# Altium PCB LH_Traffic_Light(XP)_V2.2_20171103-1500pm.PcbDoc (part 3 of 3)
Units mm, origin at the board's own origin, x right, y up, seen from the top; angles counter-clockwise.
Board outline 163.3 x 131.3 mm, 2 copper layers (Top Layer, Bottom Layer); 208 components, 201 nets, 813 pads, 826 vias.
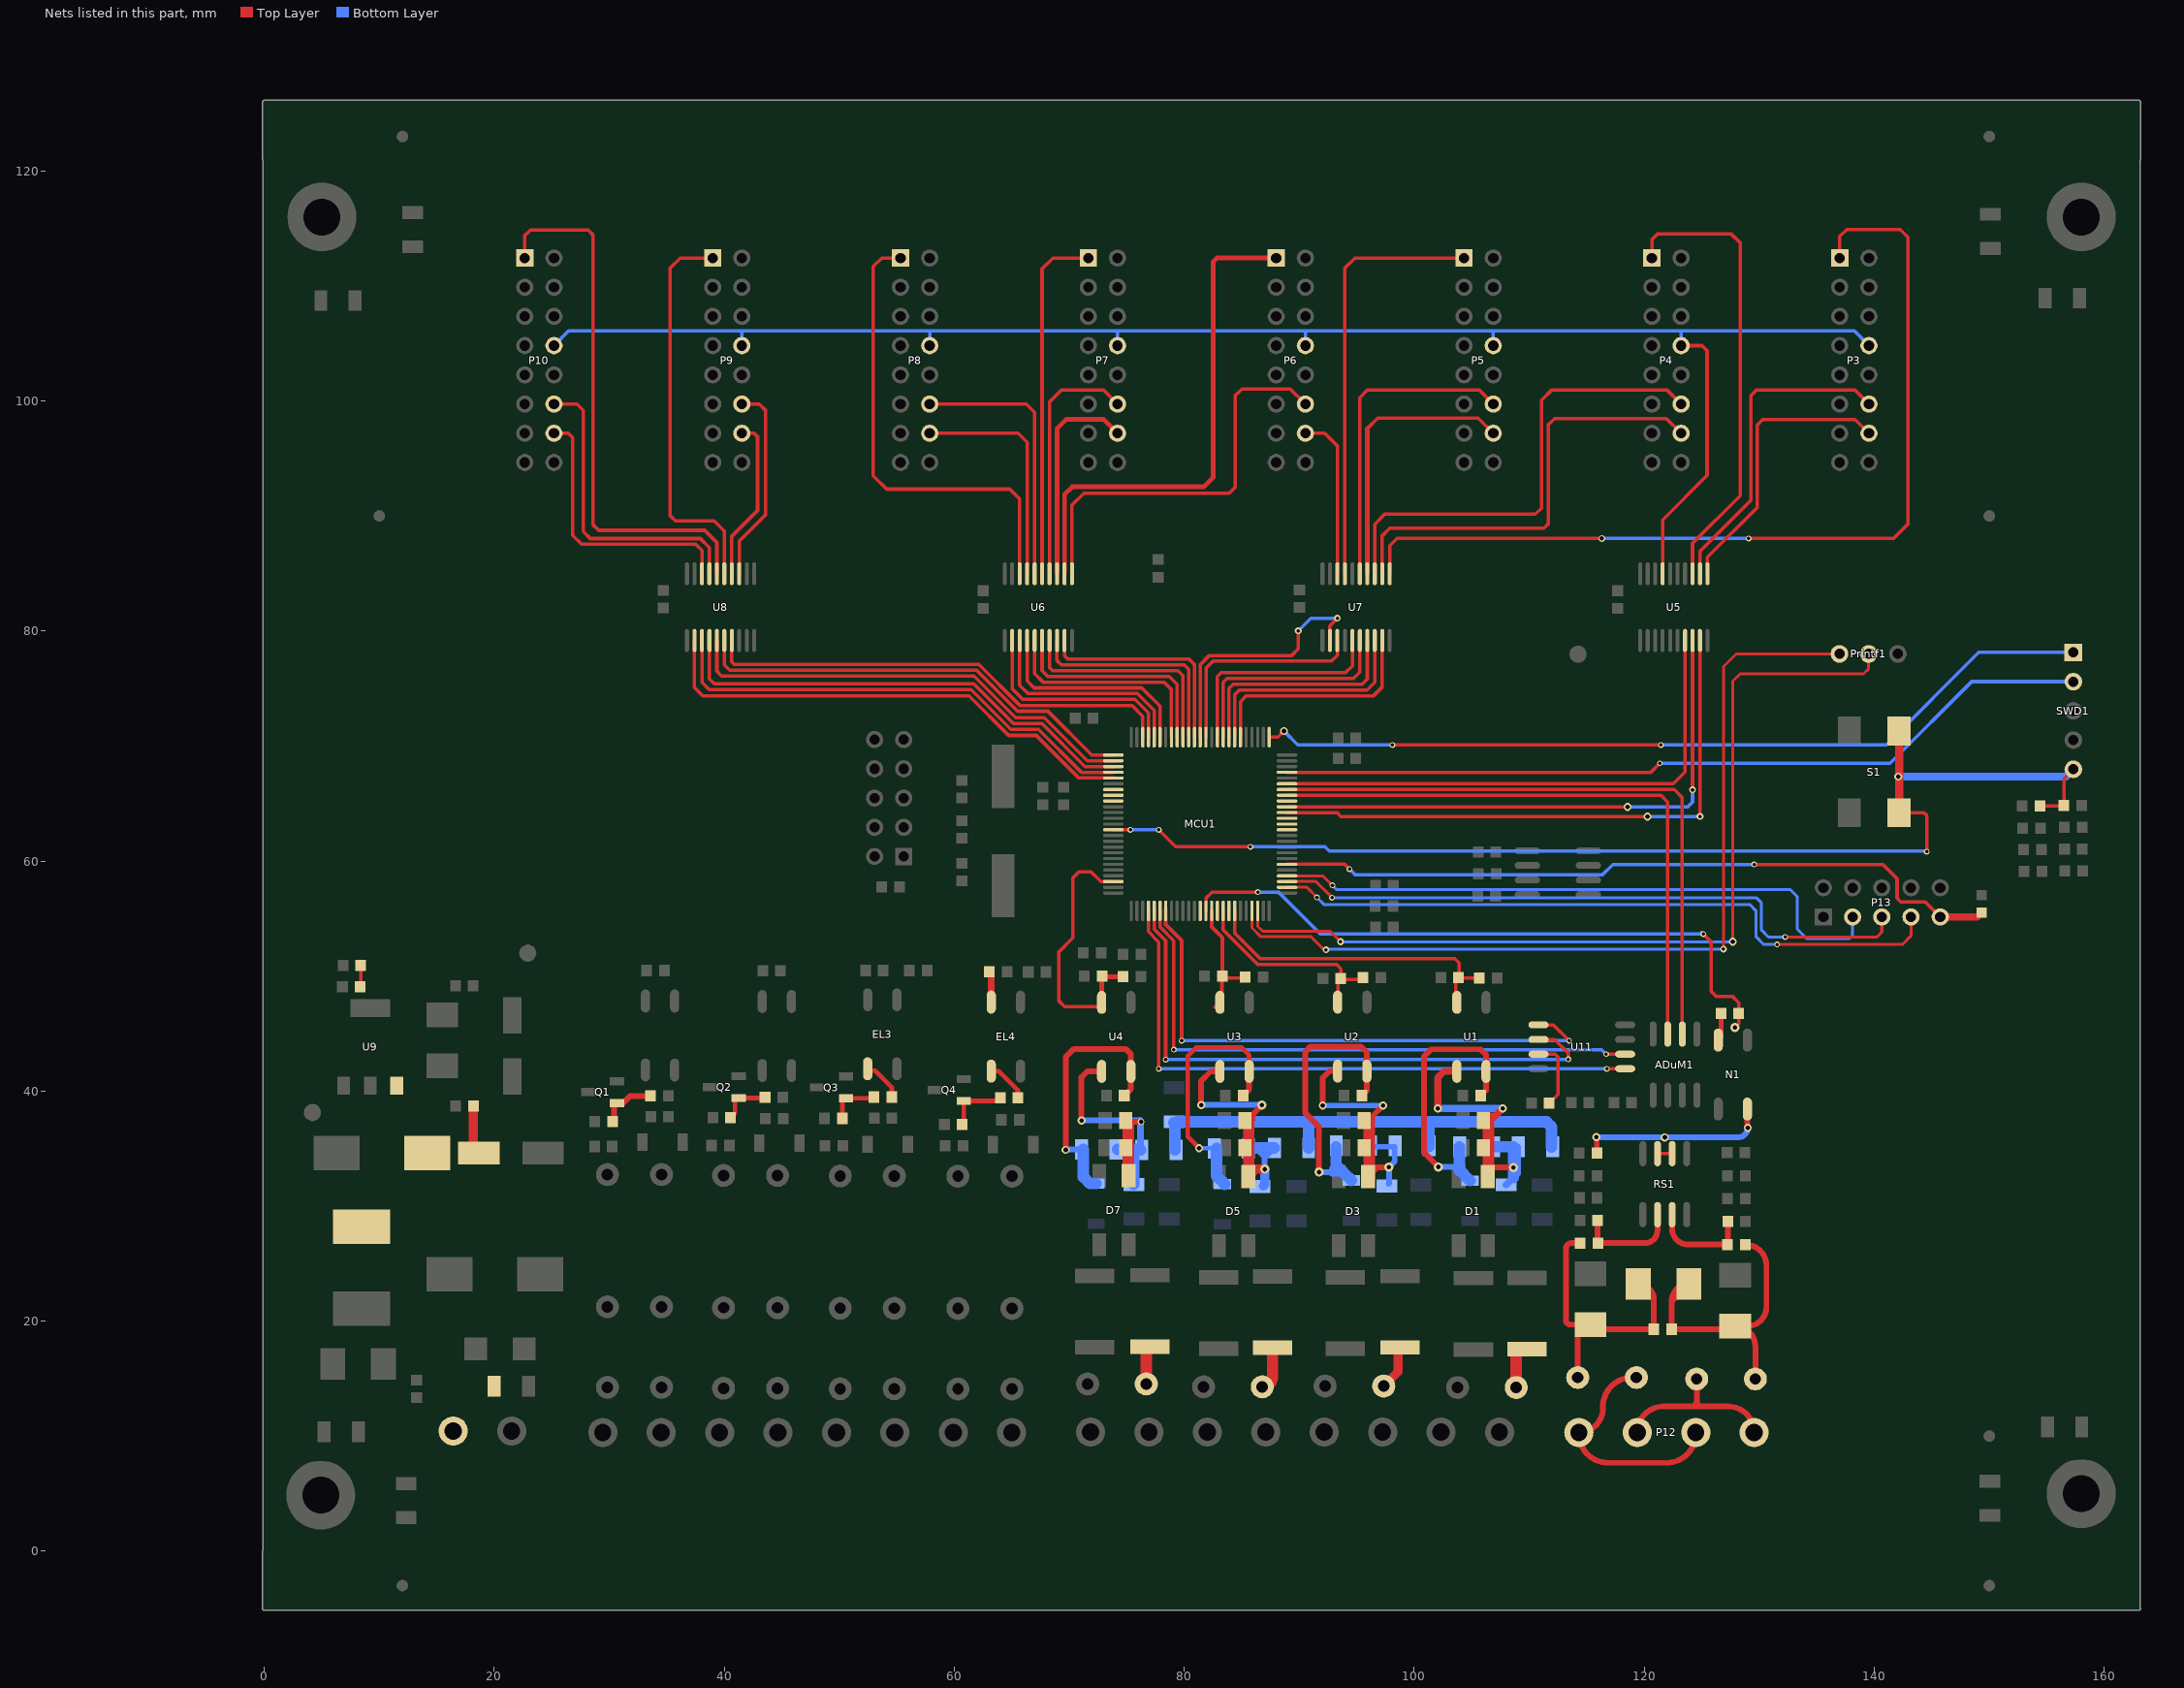
[diagram p3: the nets of this part, all layers, seen from the top]

## Via types
v1: diameter 0.6, hole 0.4, Top Layer to Bottom Layer, 590 vias
v2: diameter 0.5, hole 0.3, Top Layer to Bottom Layer, 84 vias
v3: diameter 0.7, hole 0.4, Top Layer to Bottom Layer, 42 vias
v4: diameter 0.8, hole 0.6, Top Layer to Bottom Layer, 39 vias
v5: diameter 0.8, hole 0.4, Top Layer to Bottom Layer, 24 vias
v6: diameter 0.6, hole 0.3, Top Layer to Bottom Layer, 22 vias
v7: diameter 1, hole 0.5, Top Layer to Bottom Layer, 12 vias
v8: diameter 0.7, hole 0.5, Top Layer to Bottom Layer, 8 vias
v9: diameter 1, hole 0.8, Top Layer to Bottom Layer, 5 vias

## Nets (pads, with @x,y where several pads share a name; then routed paths per layer and width w, separated by ;. In a path a pad name is that pad's centre, name@x,y a point inside that pad or via, vN(x,y) a via of type N, cw(c..) or ccw(c..) an arc to the next point about the centre after c; other vN are vias at no path point) (continued)
NetEL3_3: EL3.3 R58.2 | length 3.8
  Top Layer w0.4: EL3.3@52.262,41.79 53.106,41.79 54.556,40.34 R58.2@54.556,39.481
NetEL4_2: EL4.2 R60.1 | length 2.6
  Top Layer w0.6: EL4.2@63.202,47.747 R60.1@63.202,50.327
NetEL4_3: EL4.3 R62.2 | length 3.7
  Top Layer w0.4: EL4.3@63.21,41.739 63.856,41.739 65.529,40.065 R62.2@65.529,39.405
NetF2_2: F2.2 R6.1 | length 4
  Top Layer w1: F2.2@108.865,14.233 108.865,17.56 R6.1@109.514,17.56
NetF3_2: F3.2 R12.1 | length 3.9
  Top Layer w0.8: F3.2@97.342,14.36 98.592,15.61 R12.1@98.592,17.763
NetF4_2: F4.2 R19.1 | length 3.9
  Top Layer w1: F4.2@86.776,14.284 ccw(c86.776,15.179) 87.67,15.179 R19.1@87.67,17.687
NetF5_2: F5.2 R26.1 | length 3.2
  Top Layer w1: F5.2@76.692,14.538 R26.1@76.692,17.732
NetF6_1: F6.1 P11.1
NetF7_1: F7.1 FB1.1 R36.2 TVS1.1 TVS2.2 | length 31.7
  Top Layer w0.5: F7.1@129.656,14.97 129.656,17.814 ccw(c127.904,17.814) TVS1.1@127.909,19.567 ; 122.374,21.709 cw(c123.89,21.709) TVS2.2@123.89,23.225 122.374,21.709 ; 122.374,21.709 R36.2@122.374,19.288 TVS1.1@127.625,19.288 ; TVS1.1@127.625,19.288 ccw(c127.625,19.567) TVS1.1@127.904,19.567 ; TVS1.1@127.625,19.288 ccw(c127.625,19.567) TVS1.1@127.904,19.567 ; TVS1.1@127.904,19.567 cw(c127.904,17.814) TVS1.1@127.909,19.567 ; TVS1.1@127.904,19.567 cw(c127.904,17.814) TVS1.1@127.909,19.567 ; TVS1.1@127.904,19.567 TVS1.1@127.909,19.567 ; TVS1.1@127.909,19.567 128.96,19.567 ccw(c128.96,21.229) 130.621,21.229 130.621,24.808 ; 130.621,24.808 ccw(c128.775,24.808) FB1.1@128.775,26.654 cw(c128.775,24.808) 130.621,24.808
NetF7_2: F7.2 P12.2 P12.4 | length 26.6
  Top Layer w0.5: F7.2@124.556,14.97 124.556,13.036 ; 121.655,12.582 ccw(c121.655,10.322) P12.2@119.395,10.322 cw(c121.655,10.322) 121.655,12.582 ; 121.655,12.582 124.099,12.582 ; 124.099,12.582 ccw(c124.099,13.04) 124.552,12.982 ccw(c124.099,13.04) 124.556,13.036 ; 124.099,12.582 ccw(c124.099,13.04) 124.556,13.036 ; 124.099,12.582 124.525,12.582 ; 124.525,12.582 ccw(c124.525,12.613) 124.556,12.613 ; 124.525,12.582 ccw(c124.525,12.613) 124.556,12.613 ; 124.525,12.582 125.013,12.582 ; 124.556,12.613 124.556,13.036 ; 124.556,13.036 cw(c125.013,13.04) 124.556,13.04 ; 124.556,13.036 cw(c125.013,13.04) 124.556,13.04 ; 124.556,13.036 ccw(c124.099,13.04) 124.556,13.04 ; 124.556,13.036 ccw(c124.099,13.04) 124.556,13.04 ; 124.556,13.036 ccw(c125.013,13.04) 125.013,12.582 ; 124.556,13.036 ccw(c125.013,13.04) 125.013,12.582 ; 124.556,13.04 ccw(c125.013,13.04) 125.013,12.582 ; 124.556,13.04 ccw(c125.013,13.04) 125.013,12.582 ; 125.013,12.582 127.294,12.582 ; 127.294,12.582 cw(c127.294,10.322) P12.4@129.555,10.322 ccw(c127.294,10.322) 127.294,12.582
NetF8_1: F8.1 FB2.1 R36.1 TVS2.1 TVS3.2 | length 32.1
  Top Layer w0.5: F8.1@114.213,15.097 114.213,18.577 ; FB2.1@114.434,26.781 113.667,26.781 ccw(c113.667,26.295) 113.181,26.295 113.181,20.1 ccw(c113.586,20.1) 113.586,19.694 TVS3.2@115.178,19.694 ; 114.213,18.577 cw(c115.331,18.577) TVS3.2@115.331,19.694 ; 114.213,18.577 cw(c115.331,18.577) TVS3.2@115.331,19.694 ; TVS3.2@115.331,19.694 ccw(c115.737,19.694) TVS3.2@115.737,19.288 ; TVS3.2@115.331,19.694 ccw(c115.737,19.694) TVS3.2@115.737,19.288 ; TVS3.2@115.737,19.288 R36.1@120.834,19.288 120.834,21.861 ; TVS2.1@119.47,23.225 cw(c119.47,21.861) 120.834,21.861 ; TVS2.1@119.47,23.225 cw(c119.47,21.861) 120.834,21.861 ; TVS2.1@119.47,23.225 120.834,21.861
NetF8_2: F8.2 P12.1 P12.3 | length 36.3
  Top Layer w0.5: F8.2@119.313,15.097 F8.2@118.937,15.097 ; P12.3@124.475,10.322 P12.3@124.475,10.22 ; P12.1@114.315,10.22 ccw(c116.855,10.22) 116.855,7.68 ; P12.1@114.315,10.22 ccw(c116.855,10.22) 116.855,7.68 ; P12.1@114.315,10.22 P12.1@114.315,10.322 ; P12.1@114.315,10.322 ccw(c114.315,12.405) 116.397,12.405 ; P12.1@114.315,10.322 ccw(c114.315,12.405) 116.397,12.405 ; 116.397,12.405 116.397,12.557 ; 116.397,12.557 cw(c118.937,12.557) F8.2@118.937,15.097 ; 116.397,12.557 cw(c118.937,12.557) F8.2@118.937,15.097 ; 116.855,7.68 121.935,7.68 ; 121.935,7.68 ccw(c121.935,10.22) P12.3@124.475,10.22 ; 121.935,7.68 ccw(c121.935,10.22) P12.3@124.475,10.22
NetFB1_2: FB1.2 R35.2 RS1.7 | length 8.9
  Top Layer w0.5: RS1.7@122.417,29.258 122.417,28.044 ccw(c123.808,28.044) 123.808,26.654 FB1.2@127.235,26.654 ; R35.2@127.261,28.686 FB1.2@127.261,26.679 ; FB1.2@127.235,26.654 ccw(c127.235,26.679) FB1.2@127.261,26.679 ; FB1.2@127.235,26.654 ccw(c127.235,26.679) FB1.2@127.261,26.679
NetFB2_2: FB2.2 R37.1 RS1.6 | length 9.2
  Top Layer w0.5: R37.1@115.948,28.762 FB2.2@115.948,26.806 ; RS1.6@121.147,29.258 121.147,27.889 cw(c120.039,27.889) 120.039,26.781 FB2.2@115.974,26.781 ; FB2.2@115.948,26.806 ccw(c115.974,26.806) FB2.2@115.974,26.781 ; FB2.2@115.948,26.806 ccw(c115.974,26.806) FB2.2@115.974,26.781
NetLED1_A: LED1.A R30.1 | length 1.8
  Top Layer w0.3: R30.1@8.379,49.133 LED1.A@8.379,50.911
NetN1_2: N1.2 R34.2 | length 3
  Top Layer w0.4: N1.2@126.43,44.437 126.676,44.683 R34.2@126.676,46.745
  Top Layer w0.5: N1.2@126.43,43.867 N1.2@126.43,44.437
NetN1_4: N1.4 R31.2 RS1.2 RS1.3 | length 19.6
  Top Layer w0.3: RS1.3@121.147,34.566 RS1.2@122.417,34.566 ; RS1.2@122.417,34.566 cw(c122.417,34.642) 122.341,34.642 ccw(c122.417,34.642) RS1.2@122.417,34.566
  Top Layer w0.5: v3(115.839,36.001) cw(c115.839,35.968) 115.872,35.968 R31.2@115.872,34.63 ; N1.4@128.97,38.437 v3@128.97,36.839 ; v3@128.97,36.839 ccw(c128.996,36.839) v3(128.996,36.814) cw(c128.996,36.839) v3@128.97,36.839
  Bottom Layer w0.5: v3(115.839,36.001) v3@121.757,36.001 ; v3@121.757,36.001 cw(c121.757,35.976) v3(121.782,35.976) ; v3@121.757,36.001 cw(c121.757,35.976) v3(121.782,35.976) ; v3(121.782,35.976) 128.158,35.976 ; 128.158,35.976 ccw(c128.158,36.814) v3(128.996,36.814) cw(c128.158,36.814) 128.158,35.976
NetQ1_1: Q1.1 R50.1 R51.1 | length 4.9
  Top Layer w0.5: R51.1@30.274,37.347 30.429,37.502 30.429,38.714 Q1.1@30.678,38.963 31.196,38.963 31.815,39.583 R50.1@33.585,39.583
NetQ2_1: Q2.1 R54.1 R55.1 | length 4.5
  Top Layer w0.4: R55.1@40.546,37.678 40.924,38.055 40.924,39.395 43.481,39.395 R54.1@43.542,39.456
NetQ3_1: Q3.1 R58.1 R59.1 | length 4.8
  Top Layer w0.4: R59.1@50.264,37.337 R59.1@50.264,37.627 50.264,39.311 50.322,39.369 52.905,39.369 R58.1@53.016,39.481
NetQ4_1: Q4.1 R62.1 R63.1 | length 4.5
  Top Layer w0.4: R63.1@60.828,37.5 Q4.1@60.828,39.141 R62.1@63.725,39.141
NetR46_2: R46.2 U11.7 | length 6.1
  Top Layer w0.3: U11.7@110.801,43.215 112.246,43.215 112.497,42.964 112.497,39.713 R46.2@111.732,38.948
NRST: C31.2 MCU1.14 R44.1 S1.1 S1.4 SWD1.5 | length 105.3
  Top Layer w0.3: MCU1.14@73.83,62.72 v2(75.304,62.72) ; v2(77.78,62.72) 79.25,61.25 v2(85.75,61.25) ; S1.4@142.159,64.194 144.222,64.194 cw(c144.222,63.85) 144.566,63.85 v2(144.566,60.817) ; C31.2@154.397,64.808 R44.1@156.463,64.808 ; R44.1@156.489,64.833 156.489,67.162 SWD1.5@157.31,67.983
  Top Layer w0.7: S1.4@142.159,64.194 S1.1@142.159,71.306
  Bottom Layer w0.3: v2(75.304,62.72) v2(77.78,62.72) ; v2(85.75,61.25) 92.23,61.25 92.603,60.877 144.506,60.877 v2(144.566,60.817)
  Bottom Layer w0.7: v3(142.077,67.335) 156.662,67.335 SWD1.5@157.31,67.983
P1_G: P3.14 U5.11 | length 25.1
  Top Layer w0.3: U5.11@125.495,84.983 125.495,86.424 129.809,90.738 129.809,97.901 130.291,98.384 138.349,98.384 P3.14@139.537,97.196
P1_OE: P3.1 U7.11 | length 81.6
  Top Layer w0.3: U7.11@97.863,84.983 97.863,87.418 98.495,88.05 v1(116.3,88.05) ; v2(129.079,88.05) 141.69,88.05 142.94,89.3 142.94,114.233 142.255,114.919 137.606,114.919 136.997,114.309 P3.1@136.997,112.436
  Bottom Layer w0.3: v1(116.3,88.05) v2(129.079,88.05)
P1_R: P3.12 U5.12 | length 28.3
  Top Layer w0.3: U5.12@124.845,84.983 124.845,86.943 129.275,91.373 129.275,100.466 129.783,100.974 138.299,100.974 P3.12@139.537,99.736
P2_G: P4.14 U7.12 | length 39.1
  Top Layer w0.3: U7.12@97.213,84.983 97.213,88.292 97.873,88.953 111.285,88.953 111.673,89.341 111.673,97.952 112.206,98.485 121.912,98.485 P4.14@123.201,97.196
P2_OE: P4.1 U5.13 | length 40.3
  Top Layer w0.3: P4.1@120.661,112.436 120.661,114.026 121.147,114.513 127.573,114.513 128.335,113.751 128.335,91.78 124.195,87.639 U5.13@124.195,84.983
P2_R: P4.12 U7.13 | length 41.8
  Top Layer w0.3: U7.13@96.563,84.983 96.563,89.293 97.424,90.154 110.53,90.154 111.063,90.687 111.063,100.06 111.978,100.974 121.963,100.974 P4.12@123.201,99.736
P3_G: P5.14 U7.14 | length 24.5
  Top Layer w0.3: 95.913,97.61 96.814,98.511 105.551,98.511 P5.14@106.865,97.196
  Top Layer w0.4: U7.14@95.913,84.983 95.913,97.61
P3_OE: P5.1 U7.17 | length 37.3
  Top Layer w0.3: U7.17@93.963,84.983 93.963,111.56 94.839,112.436 P5.1@104.325,112.436
P3_R: P5.12 U7.15 | length 27.7
  Top Layer w0.3: U7.15@95.263,84.983 95.263,100.293 95.944,100.974 105.627,100.974 P5.12@106.865,99.736
P4_G: P6.14 U7.18 | length 14.4
  Top Layer w0.3: P6.14@90.529,97.196 92.21,97.196 93.313,96.093 U7.18@93.313,84.983
P4_OE: P6.1 U6.12 | length 44.8
  Top Layer w0.4: U6.12@69.581,84.983 69.581,91.877 70.246,92.542 81.701,92.542 82.514,93.354 82.514,112.125 82.825,112.436 P6.1@87.989,112.436
P4_R: P6.12 U6.11 | length 35.7
  Top Layer w0.3: U6.11@70.231,84.983 70.231,90.953 71.27,91.992 83.894,91.992 84.444,92.542 84.444,100.492 85.003,101.051 89.215,101.051 P6.12@90.529,99.736
P5_G: P7.14 U6.13 | length 18.7
  Top Layer w0.4: U6.13@68.931,84.983 68.931,97.581 69.759,98.409 72.981,98.409 P7.14@74.193,97.196
P5_OE: P7.1 U6.15 | length 30.9
  Top Layer w0.3: U6.15@67.631,84.983 67.631,111.492 68.576,112.436 P7.1@71.653,112.436
P5_R: P7.12 U6.14 | length 21.8
  Top Layer w0.3: U6.14@68.282,84.983 68.282,99.925 69.331,100.974 72.955,100.974 P7.12@74.193,99.736
P6_G: P8.14 U6.17 | length 20.2
  Top Layer w0.3: P8.14@57.858,97.196 65.54,97.196 66.331,96.405 U6.17@66.331,84.983
P6_OE: P8.1 U6.18 | length 40.9
  Top Layer w0.3: P8.1@55.318,112.436 53.691,112.436 52.948,111.693 52.948,93.507 54.117,92.338 64.835,92.338 65.681,91.492 U6.18@65.681,84.983
P6_R: P8.12 U6.16 | length 23.4
  Top Layer w0.3: P8.12@57.858,99.736 66.251,99.736 66.981,99.006 U6.16@66.981,84.983
P7_G: P9.14 U8.14 | length 14.3
  Top Layer w0.3: U8.14@40.65,84.983 40.65,88.244 42.89,90.484 42.89,96.894 42.588,97.196 P9.14@41.522,97.196
P7_OE: P9.1 U8.15 | length 34.6
  Top Layer w0.3: P9.1@38.982,112.436 36.163,112.436 35.299,111.572 35.299,90.023 35.746,89.576 39.124,89.576 40,88.7 U8.15@40,84.983
P7_R: P9.12 U8.13 | length 17.5
  Top Layer w0.3: U8.13@41.3,84.983 41.3,87.828 43.601,90.129 43.601,99.171 43.036,99.736 P9.12@41.522,99.736
P8_G: P10.14 U8.18 | length 24.1
  Top Layer w0.3: P10.14@25.186,97.196 26.424,97.196 26.812,96.809 26.812,88.325 27.599,87.538 37.514,87.538 38.05,87.002 U8.18@38.05,84.983
P8_OE: P10.1 U8.16 | length 47.6
  Top Layer w0.3: P10.1@22.646,112.436 22.646,114.386 23.129,114.868 28.158,114.868 28.564,114.462 28.564,89.265 29.072,88.757 38.292,88.757 39.35,87.699 U8.16@39.35,84.983
P8_R: P10.12 U8.17 | length 27.1
  Top Layer w0.3: P10.12@25.186,99.736 27.186,99.736 27.726,99.196 27.726,88.655 28.344,88.038 37.919,88.038 38.7,87.257 U8.17@38.7,84.983
PA0: C15.1 MCU1.23 R23.1 U4.4 | length 23.7
  Top Layer w0.3: U4.4@72.811,47.713 72.453,47.355 69.577,47.355 69.1,47.832 69.1,52.121 70.299,53.32 70.299,58.539 70.833,59.073 71.886,59.073 72.739,58.22 MCU1.23@73.83,58.22
  Top Layer w0.4: U4.4@72.811,47.713 72.811,49.946 74.556,49.946 C15.1@74.81,49.692
PA4: MCU1.29 U11.1 | length 54.6
  Top Layer w0.3: MCU1.29@76.88,55.67 76.88,53.863 77.78,52.963 v2(77.78,41.943) ; v2@116.747,41.945 U11.1@118.337,41.945
  Bottom Layer w0.3: v2@77.78,41.937 v2(116.739,41.937)
PA5: MCU1.30 U11.6 | length 52
  Top Layer w0.3: MCU1.30@77.38,55.67 77.38,54.07 78.38,53.07 v2(78.38,42.732) ; U11.6@110.801,44.485 112.208,44.485 113.4,43.292 v2(113.4,42.758)
  Bottom Layer w0.3: v2@78.38,42.758 v2(113.4,42.758)
PA6: MCU1.31 U11.2 | length 52
  Top Layer w0.3: MCU1.31@77.88,55.67 77.88,54.277 79.085,53.072 v2(79.085,43.596) ; v2(116.677,43.215) U11.2@118.337,43.215
  Bottom Layer w0.3: v2(79.085,43.596) 116.296,43.596 v2(116.677,43.215)
PA7: MCU1.32 U11.5 | length 49
  Top Layer w0.3: MCU1.32@78.37,55.887 78.38,55.887 MCU1.32@78.38,55.67 78.38,54.484 79.771,53.094 v2(79.771,44.383) ; U11.5@110.801,45.755 112.094,45.755 v2(113.465,44.383)
  Bottom Layer w0.3: v2(79.771,44.383) v2(113.465,44.383)
PA8: MCU1.67
PA9: ADuM1.3 MCU1.68 | length 53.5
  Top Layer w0.3: MCU1.68@88.93,65.72 121.451,65.72 122.036,65.135 ADuM1.3@122.036,44.954
PA10: ADuM1.2 MCU1.69 | length 55.3
  Top Layer w0.3: MCU1.69@88.93,66.22 122.602,66.22 123.306,65.516 ADuM1.2@123.306,44.954 ADuM1.2@123.364,45.012
PA11: MCU1.70 U5.7 | length 46.5
  Top Layer w0.3: MCU1.70@88.93,66.72 122.529,66.72 123.545,67.736 U5.7@123.545,79.183
PA13: MCU1.72 SWD1.2 | length 72
  Top Layer w0.3: MCU1.72@88.93,67.72 120.57,67.72 v2(121.35,68.5)
  Bottom Layer w0.3: v2(121.35,68.5) 141.367,68.5 ; 141.634,68.766 141.367,68.5 ; SWD1.2@157.31,75.603 148.47,75.603 141.367,68.5
PA14: MCU1.76 SWD1.1 | length 74
  Top Layer w0.3: MCU1.76@87.38,70.77 88.123,70.77 v3(88.661,71.307) ; v2(98.1,70.1) v2(121.45,70.1)
  Bottom Layer w0.3: v3(88.661,71.307) 89.868,70.1 v2(98.1,70.1) ; v2(121.45,70.1) 141.05,70.1 149.093,78.143 SWD1.1@157.31,78.143
PB3: MCU1.89 U6.9 | length 19.3
  Top Layer w0.3: U6.9@69.581,79.183 69.581,77.842 69.865,77.558 80.403,77.558 80.88,77.081 MCU1.89@80.88,70.77
PB4: MCU1.90 U6.8 | length 19.4
  Top Layer w0.3: U6.8@68.931,79.183 68.931,77.422 69.295,77.058 80.014,77.058 80.38,76.692 MCU1.90@80.38,70.77
PB5: MCU1.91 U6.7 | length 19.6
  Top Layer w0.3: U6.7@68.282,79.183 68.282,76.821 68.544,76.558 79.447,76.558 79.88,76.125 MCU1.91@79.88,70.77
PB6: MCU1.92 U6.6 | length 19.5
  Top Layer w0.3: U6.6@67.631,79.183 67.631,76.563 68.136,76.058 78.702,76.058 79.38,75.38 MCU1.92@79.38,70.77
PB7: MCU1.93 U6.5 | length 19.5
  Top Layer w0.3: U6.5@66.981,79.183 66.981,76.29 67.713,75.558 78.237,75.558 78.88,74.915 MCU1.93@78.88,70.77
PB8: MCU1.95 U6.4 | length 18.7
  Top Layer w0.3: U6.4@66.331,79.183 66.331,75.671 66.944,75.058 76.299,75.058 77.88,73.477 MCU1.95@77.88,70.77
PB9: MCU1.96 U6.3 | length 18.8
  Top Layer w0.3: U6.3@65.681,79.183 65.681,75.281 66.404,74.558 75.925,74.558 77.38,73.103 MCU1.96@77.38,70.77
PB10: MCU1.47 Printf1.3 | length 78.7
  Top Layer w0.254: MCU1.47@85.88,55.67 85.88,54.185 86.614,53.451 90.986,53.451 92.318,52.118 v6(92.318,52.283) ; v6(126.888,52.349) 126.888,76.911 127.989,78.013 Printf1.3@136.971,78.013
  Bottom Layer w0.254: v6(92.318,52.283) 92.385,52.349 v6(126.888,52.349) v6@126.93,52.307
PB11: MCU1.48 Printf1.2 | length 79.4
  Top Layer w0.254: MCU1.48@86.38,55.67 86.38,54.327 86.799,53.908 92.674,53.908 v6(93.588,52.994) ; v3(127.7,52.984) 127.7,75.641 128.345,76.286 139.07,76.286 139.511,76.727 Printf1.2@139.511,78.013
  Bottom Layer w0.254: v6(93.588,52.994) 93.598,52.984 v3(127.7,52.984)
PB13: MCU1.52 P13.7 | length 59.6
  Top Layer w0.254: MCU1.52@88.93,57.72 90.656,57.72 v2(91.531,56.845) ; v2(131.55,52.75) 142.45,52.75 143.194,53.494 P13.7@143.194,55.143
  Bottom Layer w0.254: v2(91.531,56.845) 92.14,56.236 129.164,56.236 129.7,55.7 129.7,53.45 130.4,52.75 v2(131.55,52.75)
PB14: MCU1.53 P13.5 | length 56.6
  Top Layer w0.254: MCU1.53@88.93,58.22 91.449,58.22 v2(92.849,56.82) ; v2(132.25,53.4) 140.241,53.4 140.654,53.814 P13.5@140.654,55.143
  Bottom Layer w0.254: v2(92.849,56.82) 129.73,56.82 130.192,56.358 130.192,54 130.792,53.4 v2(132.25,53.4)
PB15: MCU1.54 P13.3 | length 54.8
  Top Layer w0.254: MCU1.54@88.93,58.72 92.044,58.72 v2(92.877,57.887)
  Bottom Layer w0.254: v2(92.877,57.887) 93.258,57.506 132.714,57.506 133.3,56.92 133.3,54.095 134.147,53.248 137.798,53.248 138.114,53.564 P13.3@138.114,55.143
PC1_1: C1.1 C2.2 C3.2 D1.2 R2.1 R4.1 U1.1 | length 32
  Top Layer w0.5: D1.2@106.39,32.575 106.441,32.626 106.441,33.36 v5(108.625,33.36)
  Top Layer w0.6: v3(102.046,38.49) 102.046,41.183 102.577,41.713 U1.1@103.697,41.713 ; C2.2@106.01,37.449 106.4,37.839 107.033,37.839 ; C2.2@106.086,37.373 106.568,37.373 107.033,37.839 ; v3(107.685,38.49) 107.033,37.839
  Top Layer w1: C2.2@106.01,37.449 106.086,37.373 106.441,37.018 106.441,32.626 D1.2@106.441,32.191
  Bottom Layer w0.6: v3(102.046,38.49) v3(107.685,38.49) ; C1.1@106.915,35.163 106.94,35.138 108.625,35.138 108.964,35.138 108.964,32.826 108.625,32.487 R4.1@107.99,31.852
  Bottom Layer w1: C1.1@106.915,35.163 108.625,35.163 108.625,35.138 v5(108.625,33.36) 108.625,32.487
PC1_2: C1.2 D2.1 R7.1 U1.2 | length 24.9
  Top Layer w0.5: v5(102.097,33.41) 100.853,34.655 100.853,43.037 101.452,43.637 105.765,43.637 106.237,43.164 U1.2@106.237,41.713 106.237,40.083 R7.1@105.763,39.608
  Bottom Layer w0.5: v5(102.097,33.41) 103.644,33.41 103.873,33.182
  Bottom Layer w1: C1.2@103.935,35.163 103.935,33.12 D2.1@104.84,32.214
PC2_1: C6.2 C7.2 C8.1 D3.2 R10.2 R11.1 U2.1 | length 26.1
  Top Layer w0.5: v3(92.039,38.744) 92.039,41.157 92.62,41.739 U2.1@93.334,41.739 ; C7.2@95.638,37.449 95.993,37.449 96.34,37.796 ; D3.2@95.976,32.575 96.077,32.677 96.786,33.385 ; 96.077,33.588 96.281,33.385 96.786,33.385 ; C7.2@96.077,37.01 96.34,37.272 96.34,37.796 ; v3(97.289,38.744) 96.34,37.796 ; v5(97.798,33.385) 96.786,33.385
  Top Layer w1: C7.2@95.638,37.449 96.077,37.01 96.077,33.588 96.077,32.677 D3.2@96.077,32.344
  Bottom Layer w0.5: v3(92.039,38.744) v3(97.289,38.744) ; C8.1@96.196,35.163 98.296,35.163 98.296,33.883 v5(97.798,33.385) 97.798,31.973 R11.1@97.754,31.929
PC2_2: C8.2 D4.1 R13.1 U2.2 | length 28.2
  Top Layer w0.5: v5(91.709,32.953) 91.709,36.89 90.529,38.069 90.529,43.433 90.972,43.875 95.366,43.875 95.874,43.367 U2.2@95.874,41.739 95.874,40.049 R13.1@95.433,39.608
  Bottom Layer w0.5: v5(91.709,32.953) 92.84,32.953 ; 93.19,33.577 92.84,33.227 92.84,32.953 ; 92.84,32.953 93.814,32.953 93.93,32.838 92.84,32.838 92.84,32.953
  Bottom Layer w1: C8.2@93.19,35.138 93.19,33.577 93.814,32.953 ; 93.93,32.838 D4.1@94.528,32.239
PC3_1: C9.2 C10.2 C12.1 D5.2 R17.2 R18.1 U3.1 | length 27
  Top Layer w0.5: v3(81.472,38.795) 81.472,40.882 82.304,41.713 U3.1@83.098,41.713 ; C10.2@85.266,37.449 C10.2@85.343,37.373 ; C10.2@85.409,37.449 85.919,37.958 ; C10.2@85.567,37.149 85.919,37.501 85.919,37.958 ; v5(86.756,38.795) 85.919,37.958
  Top Layer w0.8: C10.2@85.266,37.449 C10.2@85.409,37.449 ; D5.2@85.562,32.575 85.613,32.626 86.194,33.207 v5(86.992,33.207)
  Top Layer w1: C10.2@85.343,37.373 C10.2@85.567,37.149 ; D5.2@85.613,32.42 85.613,32.626 C10.2@85.613,37.103
  Bottom Layer w0.5: v3(81.472,38.795) v5(86.756,38.795) ; v5(86.992,33.207) 86.992,34.222 ; 86.992,34.961 86.992,34.63 86.992,34.222 ; R17.2@87.831,35.061 86.992,34.222
  Bottom Layer w0.8: R18.1@86.883,31.751 86.992,31.86 v5(86.992,33.207)
  Bottom Layer w1: C12.1@85.782,35.036 86.585,35.036 86.992,34.63 ; C12.1@85.807,35.061 R17.2@87.831,35.061
PC3_2: C12.2 D6.1 R20.1 U3.2 | length 23
  Top Layer w0.4: v3(81.295,35.036) 80.304,36.027 80.304,43.062 81.015,43.774 85.003,43.774 85.638,43.139 U3.2@85.638,41.713
  Top Layer w0.5: R20.1@85.104,39.608 85.638,40.142 U3.2@85.638,41.713
  Bottom Layer w0.4: v3(81.295,35.036) C12.2@82.802,35.036
  Bottom Layer w1: C12.2@82.802,35.036 82.802,32.637 D6.1@83.53,31.909
PC4_1: C13.2 C14.2 C16.1 D7.2 R24.2 R25.1 U4.1 | length 25
  Top Layer w0.5: v3(71.058,37.449) 71.058,41.208 71.564,41.713 U4.1@72.811,41.713 ; C13.2@74.895,37.449 75.007,37.337 v1(76.24,37.337)
  Top Layer w1: D7.2@75.122,32.344 C13.2@75.122,37.221
  Bottom Layer w0.5: v3(71.058,37.449) v1@76.128,37.449
  Bottom Layer w0.6: v1@76.128,37.449 76.198,37.379 R24.2@76.198,34.884
  Bottom Layer w1: C16.1@74.199,34.934 74.961,34.934 ; R25.1@75.605,31.878 75.605,34.291 74.961,34.934 ; R24.2@76.198,34.884 76.147,34.934 74.961,34.934
PC4_2: C16.2 D8.1 R27.1 U4.2 | length 23.4
  Top Layer w0.5: v3(69.687,34.884) 69.687,42.961 70.398,43.672 74.894,43.672 75.351,43.215 U4.2@75.351,41.713 75.351,40.184 R27.1@74.775,39.608
  Bottom Layer w0.5: v3(69.687,34.884) 69.738,34.934 C16.2@71.219,34.934
  Bottom Layer w1: C16.2@71.219,34.934 71.219,32.538 71.798,31.96 D8.1@72.328,31.96
PC6: MCU1.63
PC7: MCU1.64
PC8: MCU1.65 U5.9 | length 51.4
  Top Layer w0.3: MCU1.65@88.93,64.22 93.284,64.22 93.628,63.876 v3(120.282,63.876) ; v6(124.845,63.876) U5.9@124.845,79.183
  Bottom Layer w0.3: v3(120.282,63.876) v6(124.845,63.876)
PC9: MCU1.66 U5.8 | length 49.5
  Top Layer w0.3: MCU1.66@88.93,64.72 v3(118.548,64.72) ; v6(124.195,66.202) U5.8@124.195,79.183
  Bottom Layer w0.3: v3(118.548,64.72) 123.78,64.72 124.195,65.134 v6(124.195,66.202)
PC13: MCU1.7
PC14: MCU1.8
PC15: MCU1.9
PD0: MCU1.81 U7.9 | length 20
  Top Layer w0.3: MCU1.81@84.88,70.77 84.88,73.86 85.399,74.378 96.456,74.378 97.213,75.135 U7.9@97.213,79.183
PD1: MCU1.82 U7.8 | length 20
  Top Layer w0.3: MCU1.82@84.38,70.77 84.38,74.469 84.789,74.878 95.889,74.878 96.563,75.552 U7.8@96.563,79.183
PD2: MCU1.83 U7.7 | length 20
  Top Layer w0.3: MCU1.83@83.88,70.77 83.88,73.246 83.88,75.011 84.248,75.378 95.464,75.378 95.913,75.827 U7.7@95.913,79.183
PD3: MCU1.84 U7.6 | length 19.8
  Top Layer w0.3: MCU1.84@83.38,70.77 83.38,75.552 83.706,75.878 94.704,75.878 95.263,76.436 U7.6@95.263,79.183
PD4: MCU1.85 U7.5 | length 19.6
  Top Layer w0.3: MCU1.85@82.88,70.77 82.88,74.507 82.88,76.047 83.211,76.378 94.011,76.378 94.613,76.98 U7.5@94.613,79.183
PD6: MCU1.87 U7.3 | length 19.2
  Top Layer w0.3: MCU1.87@81.88,70.77 81.88,72.976 81.88,76.77 82.488,77.378 92.775,77.378 93.313,77.915 U7.3@93.313,79.183
PD7: MCU1.88 U7.2 | length 23
  Top Layer w0.3: MCU1.88@81.38,70.77 81.38,77.083 82.176,77.878 89.338,77.878 89.905,78.445 v6(89.905,80.019) ; U7.2@92.663,79.183 92.648,79.198 92.648,80.447 v6(93.313,81.112)
  Bottom Layer w0.3: v6(89.905,80.019) 90.997,81.112 v6(93.313,81.112)
PD8_W5500_TEST: MCU1.56 P13.9 R47.2 | length 64.2
  Top Layer w0.3: MCU1.56@88.93,59.72 93.943,59.72 v2(94.363,59.3) ; v2(129.555,59.7) 140.761,59.7 141.983,58.479 141.983,56.777 142.309,56.45 144.428,56.45 P13.9@145.734,55.143
  Top Layer w0.6: P13.9@145.734,55.143 148.958,55.143 R47.2@149.334,55.519
  Bottom Layer w0.3: v2(94.363,59.3) 94.838,58.825 116.386,58.825 117.26,59.7 v2(129.555,59.7)
PD15: MCU1.62
PE0: MCU1.97 U6.2 | length 19
  Top Layer w0.3: U6.2@65.031,79.183 65.031,74.972 65.945,74.058 75.699,74.058 76.88,72.877 MCU1.97@76.88,70.77
PE1: MCU1.98 U8.7 | length 41.4
  Top Layer w0.3: U8.7@40.65,79.183 40.65,77.3 40.861,77.089 62.143,77.089 65.698,73.534 75.435,73.534 76.38,72.589 MCU1.98@76.38,70.77
PE2: MCU1.1 U8.6 | length 39.2
  Top Layer w0.3: U8.6@40,79.183 40,77.05 40.461,76.589 61.936,76.589 65.49,73.034 68.137,73.034 71.952,69.22 MCU1.1@73.83,69.22
PE3: MCU1.2 U8.5 | length 40.4
  Top Layer w0.3: U8.5@39.35,79.183 39.35,76.5 39.761,76.089 61.721,76.089 65.334,72.476 67.824,72.476 71.58,68.72 MCU1.2@73.83,68.72
PE4: MCU1.3 U8.4 | length 41.9
  Top Layer w0.3: U8.4@38.7,79.183 38.7,75.85 39.137,75.413 61.69,75.413 65.127,71.976 67.617,71.976 71.373,68.22 71.998,68.22 ; 71.693,68.22 MCU1.3@73.83,68.22
PE5: MCU1.4 U8.3 | length 42.7
  Top Layer w0.3: U8.3@38.05,79.183 38.05,75.542 38.68,74.913 61.449,74.913 64.902,71.46 67.31,71.46 71.049,67.72 MCU1.4@73.83,67.72
PE6: MCU1.5 U8.2 | length 43.8
  Top Layer w0.3: U8.2@37.4,79.183 37.4,75.1 38.129,74.371 61.283,74.371 64.728,70.926 67.124,70.926 70.83,67.22 MCU1.5@73.83,67.22
PE7: MCU1.38
PE8: MCU1.39 R34.1 | length 56.9
  Top Layer w0.3: MCU1.39@81.88,55.67 81.88,56.785 82.396,57.3 v2(86.4,57.3) ; v2(125.139,53.65) 125.821,52.968 125.821,48.676 126.253,48.244 127.65,48.244 128.216,47.677 R34.1@128.216,46.745 ; v5(127.878,45.526) 128.216,45.864 R34.1@128.216,46.745 ; R34.1@128.437,46.966 R34.1@128.216,46.745
  Bottom Layer w0.3: v2(86.4,57.3) 88.2,57.3 91.85,53.65 124.827,53.65 124.977,53.8 125.133,53.644 v2(125.139,53.65)
PE9: C11.1 MCU1.40 R16.1 U3.4 | length 10.2
  Top Layer w0.3: MCU1.40@82.38,55.67 82.38,54.274 83.309,53.345 R16.1@83.309,49.997 ; 82.679,47.295 U3.4@83.098,47.713 ; U3.4@83.268,48.168 R16.1@83.268,49.732 ; R16.1@83.38,49.824 85.142,49.824 C11.1@85.274,49.692
PE10: MCU1.41
PE11: C5.1 MCU1.42 R9.1 U2.4 | length 17.7
  Top Layer w0.3: MCU1.42@83.38,55.67 83.38,54.019 86.387,51.013 93.258,51.013 93.626,50.645 93.626,49.692 95.333,49.692 C5.1@95.384,49.743 ; U2.4@93.361,47.954 R9.1@93.361,49.616
PE12: MCU1.43
PE13: C4.1 MCU1.44 R3.1 U1.4 | length 28.4
  Top Layer w0.3: MCU1.44@84.38,55.67 84.38,53.726 86.594,51.513 103.52,51.513 103.909,51.124 103.909,49.824 105.513,49.824 C4.1@105.696,49.641 ; U1.4@103.596,47.518 R3.1@103.596,49.87 ; U1.4@103.697,47.713 U1.4@103.909,47.925
RSVCC: C21.1 C22.2 C23.1 L1.2 U9.3 | length 4.3
  Top Layer w0.4: C23.1@18.184,35.079 C23.1@18.658,34.604
  Top Layer w0.8: C23.1@18.184,35.079 C22.2@18.184,38.694
SCK: P3.8 P4.8 P5.8 P6.8 P7.8 P8.8 P9.8 P10.8 U5.17 | length 146.2
  Top Layer w0.3: U5.17@121.595,84.983 121.595,89.666 125.457,93.528 125.457,104.386 125.027,104.816 P4.8@123.201,104.816
  Bottom Layer w0.3: P10.8@25.186,104.816 26.456,106.086 138.267,106.086 P3.8@139.537,104.816 ; P9.8@41.522,104.816 41.522,106.057 ; P8.8@57.858,104.816 57.858,106.043 ; P7.8@74.193,104.816 74.193,106.072 ; P6.8@90.529,104.816 90.529,106.046 ; P5.8@106.865,104.816 106.865,106.017 ; P4.8@123.201,104.816 123.201,106.032
VIO: F1.2 R2.2 R10.1 R17.1 R24.1 | length 41.3
  Bottom Layer w1: F1.2@79.085,37.254 F1.2@79.178,37.161 ; R24.1@79.178,34.884 F1.2@79.178,37.161 ; R17.1@90.811,35.061 90.811,37.043 ; R10.1@101.259,35.18 101.259,37.322 ; R2.2@111.944,35.138 111.944,36.873 111.495,37.322 101.259,37.322 ; F1.2@79.178,37.161 79.338,37.322 101.259,37.322
pads on no net: U8.8 U8.9 U8.11 U8.12 U11.3

## Polygon pours and split planes (outlines as drawn)
NetF6_1 on Top Layer "Top Layer-No Net" (solid, pour order 10): 19.522,15.3 15.775,15.3 ccw(c15.775,14.703) 15.178,14.703 15.178,10.322 ccw(c16.22,10.322) 16.22,9.28 16.474,9.28 ccw(c16.474,10.347) 17.541,10.347 17.541,11.008 cw(c17.693,11.008) 17.693,11.16 17.693,12.608 cw(c18.43,12.608) 18.43,13.344 20.436,13.344 ccw(c20.436,13.471) 20.563,13.471 20.563,15.3
GND on Top Layer "Top Layer-No Net 1" (solid, remove dead copper, pour order 96): 0,17.85 0,10.457 ccw(c1.404,10.457) 1.404,9.054 7.696,9.054 cw(c7.696,7.3) 9.45,7.3 9.45,1.85 ccw(c11.3,1.85) 11.3,0 25.4,0 ccw(c25.4,1.3) 26.7,1.3 26.7,26.45 cw(c28.25,26.45) 28.25,28 67.282,28 ccw(c67.282,28.618) 67.9,28.618 cw(c69.496,28.554) 69.56,30.15 74.653,30.15 111.979,30.15 ccw(c112.033,30.79) 112.673,30.735 112.673,31.235 cw(c113.102,31.235) 113.102,31.665 129.781,31.665 cw(c129.781,31.446) 130,31.446 130,29.63 ccw(c130.356,29.63) 130.356,29.273 131.522,29.273 cw(c131.522,29) 131.795,29 131.795,0.855 ccw(c132.65,0.855) 132.65,0 153.215,0 ccw(c153.215,0.921) 154.136,0.921 154.136,7.736 cw(c155.25,7.736) 155.25,8.85 162.45,8.85 ccw(c162.45,9.5) 163.1,9.5 163.1,110.5 ccw(c161.95,110.5) 161.95,111.65 156.153,111.65 cw(c156.153,113.891) 153.912,113.891 153.912,119.588 ccw(c152.5,119.588) 152.5,121 11.59,121 ccw(c11.59,118.46) 9.05,118.46 9.05,117.7 9.05,117.35 9.05,114.214 cw(c6.51,114.214) 6.51,111.674 5.05,111.674 1.274,111.674 ccw(c1.274,110.4) 0,110.4 0,18.05 cw(c-0.1,18.05) -0.1,17.95
GND on Bottom Layer "Top Layer-No Net 1" (solid, remove dead copper, pour order 92): 0.05,17.332 0.05,10.8 ccw(c1.85,10.8) 1.85,9 7.5,9 cw(c7.5,6.9) 9.6,6.9 9.6,1.2 ccw(c10.9,1.2) 10.9,-0.1 25.3,-0.1 ccw(c25.3,1.3) 26.7,1.3 26.7,26.45 cw(c28.25,26.45) 28.25,28 67.214,28 ccw(c67.214,28.686) 67.9,28.686 67.9,29.45 cw(c68.4,29.45) 68.4,29.95 68.781,29.95 ccw(c68.781,30.1) 68.931,30.1 cw(c68.981,30.1) 68.981,30.15 69.8,30.15 111.9,30.15 ccw(c112.198,30.965) 113.012,30.667 113.012,31.175 cw(c113.042,31.187) 113.012,31.2 cw(c113.679,31.211) 113.2,31.675 130.793,31.675 cw(c130.793,30.667) 131.8,30.667 131.8,2.54 ccw(c134.34,2.54) 134.34,0 135.25,0 153.05,0 ccw(c153.05,1.1) 154.15,1.1 154.15,7.25 cw(c155.9,7.25) 155.9,9 161.2,9 ccw(c161.2,10.75) 162.95,10.75 162.95,110.7 ccw(c162.05,110.7) 162.05,111.6 156.44,111.6 cw(c156.44,114.14) 153.9,114.14 153.9,119.8 ccw(c152.75,119.8) 152.75,120.95 10.8,120.95 ccw(c10.8,119.1) 8.95,119.1 8.95,114.1 cw(c6.55,114.1) 6.55,111.7 1.45,111.7 ccw(c1.45,110.3) 0.05,110.3 0.05,17.938 ccw(c0.2,17.938) 0.2,17.788

## Keep-outs
Keep-Out Layer:
  lines w0.254: 0,1.27 ccw(c1.27,1.27) 1.27,0 ; 0,119.73 cw(c1.27,119.73) 1.27,121 ; 7.959,53.439 cw(c9.09,54.57) 7.97,53.427 ; 7.959,77.099 cw(c9.09,78.23) 7.97,77.087 ; 136.975,19.874 ccw(c137.267,18.3) 137.04,19.884 ; 158.275,19.874 ccw(c158.567,18.3) 158.34,19.884 ; 161.73,0 ccw(c161.73,1.27) 163,1.27 ; 161.73,121 cw(c161.73,119.73) 163,119.73 ; 163,-5 163,121 0,121 0,0 163,0
  lines w0.3: 0,0 0,-5 163,-5 ; 0,121 0,126 163,126 163,121

## Other copper
Top Layer:
  rectangle net GND: 20.69,41.208 28.778,43.393
  rectangle net GND: 20.995,37.17 24.729,42.656
  rectangle net 3V3: 8.905,44.891 24.703,48.015
  rectangle net 3V3: 8.549,39.71 9.895,47.177
  rectangle net RSVCC: 10.94,29.702 12.943,41.373
  rectangle net RSVCC: 5.857,28.055 16.372,30.845
  rectangle net JZC_VCC: 9.235,16.621 14.416,21.218
  rectangle net JZC_VCC: 5.984,19.542 15.077,24.165
  rectangle net JZC_VCC: 14.264,16.621 19.42,25.562
  rectangle net NetD9_1: 21.9,13.37 23.611,18.55
  rectangle net NetF6_1: 15.178,10.296 17.693,15.3
  rectangle net NetF6_1: 15.28,13.344 20.563,15.3
  rectangle net NetN1_4: 120.817,33.487 122.671,36.23
  rectangle net RSVCC: 12.486,33.08 20.716,36.179
  rectangle net RSVCC: 17.744,34.045 19.242,39.176
  rectangle net RSVCC: 11.826,28.822 16.367,36.128
  rectangle net GND: 128.32,28.2 132.3,31.142
  rectangle net GND: 119.782,43.3 121.03,47.507
Bottom Layer:
  rectangle net GND: 65.724,45.933 106.542,46.542
  rectangle net GND: 65.631,41.716 68.417,46.568
  rectangle net GND: 25.084,41.716 67.706,43.393
  rectangle net 3V3: 22.646,44.917 24.703,48.9
  rectangle net JZC_VCC: 9.997,16.621 15.1,49.824
  rectangle net JZC_VCC: 10.149,39.76 124.881,40.776
  rectangle net GND: 130.192,29.75 133,32.7

## Silkscreen, mask and mechanical layers (free items; w line width, h text height)
Top Overlay:
  lines w0.254: -15.92,-6.8 -1.361,-6.8 2.241,-3.198 ; -15.837,124.551 -1.054,124.551 2.324,121.173 ; -15.637,-1.55 0.751,-1.55 2.525,0.225 1.7,0.225 ; -14.32,129.65 -1.956,129.65 3.841,123.852 ; 1.784,-3.198 2.241,-3.198 ; 1.943,121.1 2.4,121.1 2.4,121.735 ; 2.241,-3.75 2.241,-3.198 ; 2.6,-0.5 2.6,0.15 ; 3.384,123.852 3.841,123.852 ; 3.841,124.487 3.841,123.852 ; 152.255,69.211 152.28,69.186 158.732,69.186 ; 152.255,71.751 158.656,71.751 ; 152.255,78.127 152.255,79.092 ; 152.28,76.857 158.732,76.857 ; 152.357,74.291 158.732,74.291 ; 157.594,115.907 157.749,116.062 ; 157.64,79.387 152.55,79.387 ccw(c152.55,79.092) 152.255,79.092 ; 158.757,66.408 152.29,66.408 cw(c152.29,66.443) 152.255,66.443 152.255,79.092 ; 1.34,52.92 1.34,79.85 59.17,79.85 59.17,52.92 1.34,52.92 ; 134.067,4.27 134.067,59.27 162.067,59.27 162.067,4.27 134.067,4.27
  lines w0.3: 152.915,79.387 158.732,79.387 ; 153.017,66.408 149.521,66.408 149.537,66.424 149.537,79.387 153.55,79.387
  text "作为工艺边保留" at -13.55,130.6 h1.52
  text "V割" at -11.875,125.313 h1.52
  text "1" at 4.722,90.65 h4
  text "R" at 139.257,79.689 h2
  text "T" at 136.641,79.638 h2
  text "G" at 141.594,79.638 h2
  text "CLK" at 152.944,77.508 h2
  text "DIO" at 152.995,75.095 h2
  text "GND" at 152.995,72.605 h2
  text "LH_Traffic_Light(XP)_V2.2" at 73.784,71.783 h6
  text "VCC" at 152.944,69.913 h2
  text "20171103_1600PM" at 96.899,67.76 h6
  text "RST" at 152.995,67.322 h2
  text "KT603" at 30.2,65.35 h2
  text "W5500" at 143.296,41.656 h2
  text "-" at 69.915,12.786 h2
  text "+" at 26.989,12.727 h2
  text "A" at 112.105,12.633 h2
  text "+" at 88.483,12.608 h2
  text "-" at 90.718,12.582 h2
  text "B" at 119.801,12.566 h2
  text "-" at 36.234,12.532 h2
  text "+" at 77.916,12.532 h2
  text "+" at 98.168,12.506 h2
  text "+" at 109.387,12.506 h2
  text "A" at 123.381,12.502 h2
  text "B" at 129.116,12.506 h2
  text "+" at 37.251,12.481 h2
  text "-" at 79.948,12.481 h2
  text "-" at 56.377,12.455 h2
  text "-" at 66.606,12.448 h2
  text "+" at 57.386,12.398 h2
  text "-" at 100.7,12.405 h2
  text "-" at 46.42,12.379 h2
  text "+" at 47.277,12.354 h2
  text "VIN / +" at 11.064,10.093 h2
  text "GND / -" at 24.246,10.068 h2
  text "V割" at -10.65,-1.15 h1.52
  text "作为工艺边保留" at -14.45,-6.1 h1.52
Bottom Overlay:
  text "1" at 47.538,75.117 h4
  text "1" at 46.547,22.92 h4